# Altium PCB AX7021B.PcbDoc (part 6 of 6) (continued)
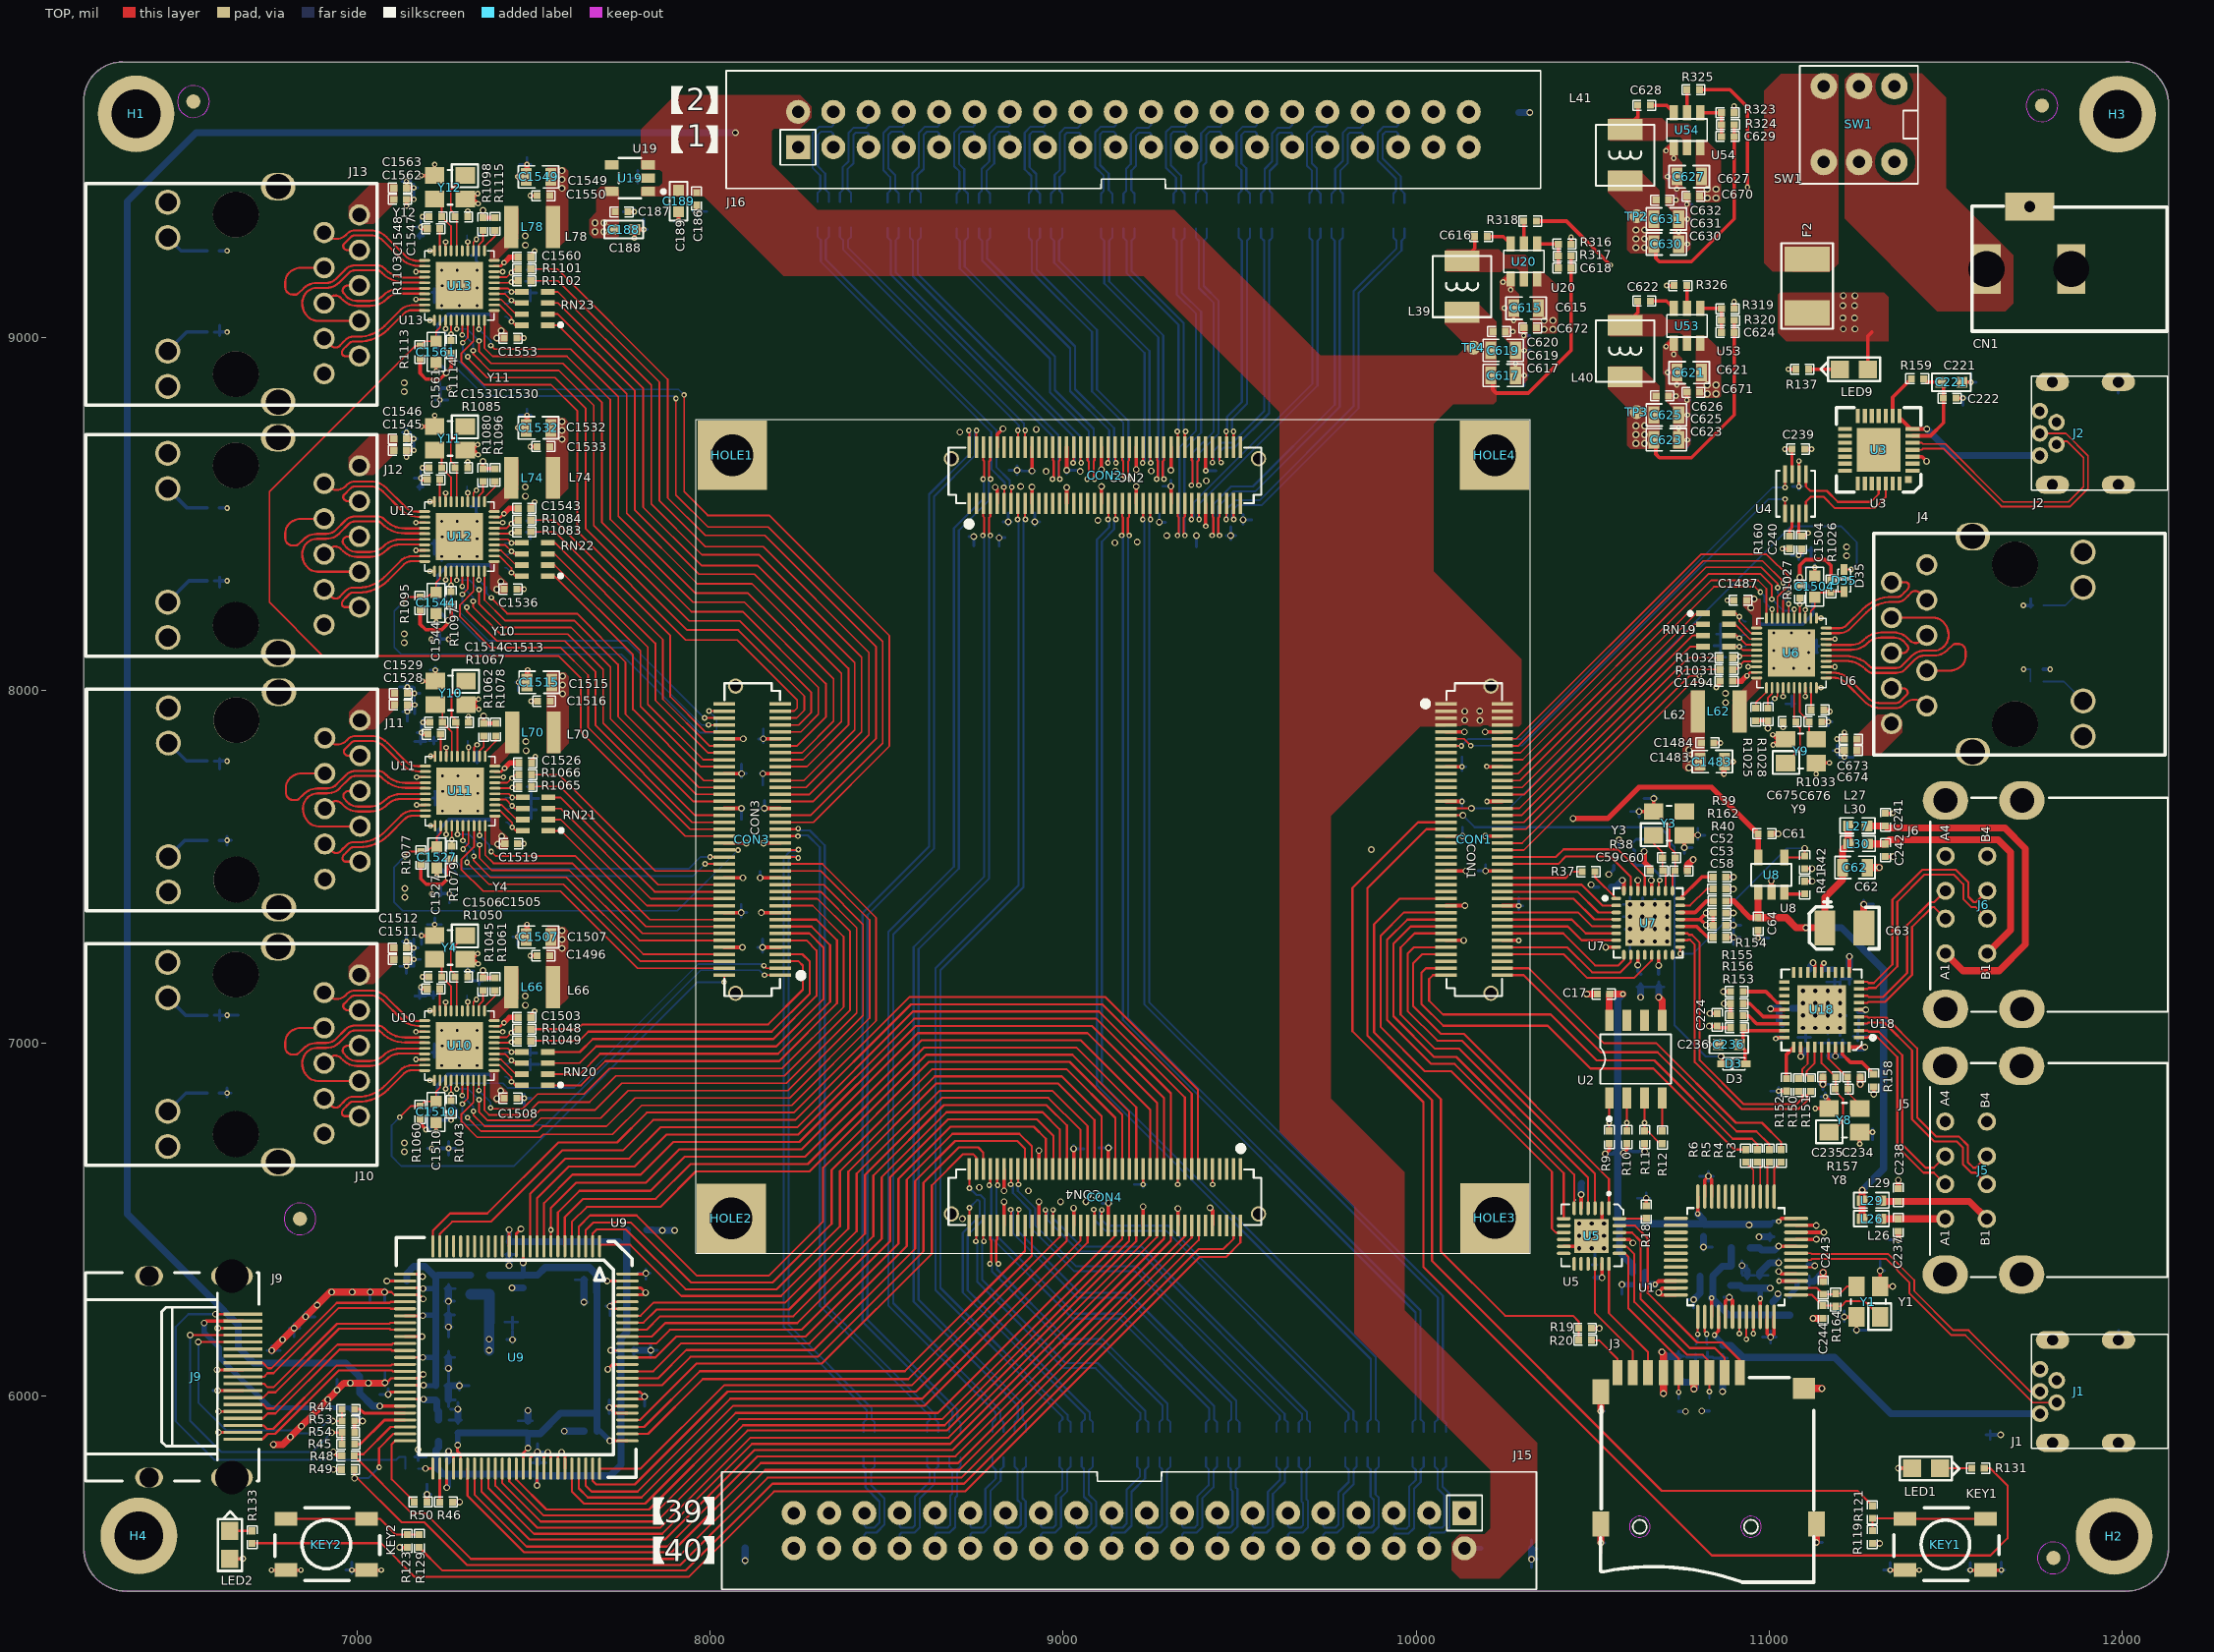
[diagram p0: TOP view]
## Polygon pours and split planes (outlines as drawn) (continued)
N20581593 on TOP (solid, pour order 34): 7113.99,8677.5 7113.99,8722.4 7110.22,8726.17 7041.35,8726.17 6975.69,8660.51 6975.69,8626.79 6991.77,8610.71 7047.2,8610.71 7113.99,8677.5
PHY3_REGOUT on TOP (solid, pour order 32): 7393.64,7781.68 7380.19,7781.68 7378.81,7783.06 7378.81,7813.6 7413.36,7848.15 7419.88,7854.67 7419.88,7936.52 7420.63,7937.27 7455.01,7937.27 7459.62,7932.66 7459.62,7847.66 7393.64,7781.68
PHY3_DVDDL on TOP (solid, pour order 26): 7537.92,7822.02 7572.48,7822.02 7600.1,7849.64 7600.1,8040.2 7590.16,8050.14 7541.36,8050.14 7537.42,8046.2 7537.42,7822.52 7537.92,7822.02
PHY3_DVDDL on TOP (solid, pour order 22): 7422.58,7550.85 7392.17,7550.85 7378.6,7564.42 7378.6,7642.55 7383.67,7647.62 7398.38,7647.62 7402.35,7643.65 7402.35,7608.67 7428.43,7582.59 7428.43,7556.7 7422.58,7550.85
PHY4_DVDDL on TOP (solid, pour order 12): 7535.92,8543.02 7570.48,8543.02 7598.1,8570.64 7598.1,8761.2 7588.16,8771.14 7539.36,8771.14 7535.42,8767.2 7535.42,8543.52 7535.92,8543.02
PHY4_DVDDL on TOP (solid, pour order 8): 7376.6,8287.53 7376.6,8363.55 7381.67,8368.62 7396.38,8368.62 7400.35,8364.65 7400.35,8329.67 7426.43,8303.59 7426.43,8277.7 7422.36,8273.63 7390.5,8273.63 7376.6,8287.53
N20563058 on TOP (solid, pour order 6): 20 vertices, not listed, extent 10081.66,9144.81 10316.89,9248.49
N20586206 on TOP (solid, pour order 2): 7113.99,9388.5 7113.99,9433.4 7110.22,9437.17 7041.35,9437.17 6975.69,9371.51 6975.69,9337.79 6991.77,9321.71 7047.2,9321.71 7113.99,9388.5
PHY4_REGOUT on TOP (solid, pour order 0): 7391.64,8502.68 7378.19,8502.68 7376.81,8504.06 7376.81,8534.6 7411.36,8569.15 7417.88,8575.67 7417.88,8657.52 7418.63,8658.27 7453.01,8658.27 7457.62,8653.66 7457.62,8568.66 7391.64,8502.68
GND on BOTTOM (solid, pour order 194): 69 vertices, not listed, extent 9476.61,8592.34 9529.94,8630.85
GND on BOTTOM (solid, pour order 190): 278 vertices, not listed, extent 6253.65,5476.85 12103.56,9751.56
GND on BOTTOM (solid, pour order 188): 66 vertices, not listed, extent 6542.06,5857.42 6884.41,5963.94
GND on BOTTOM (solid, pour order 186): 48 vertices, not listed, extent 7701.31,5897.73 7725.78,6121.81
GND on BOTTOM (solid, pour order 184): 72 vertices, not listed, extent 6565.34,5910.86 6907.19,6149.29
GND on BOTTOM (solid, pour order 182): 32 vertices, not listed, extent 6585.77,6160.87 6641.52,6222.43
GND on BOTTOM (solid, pour order 180): 121 vertices, not listed, extent 8825.72,6451.23 8867.88,6599.05
GND on BOTTOM (solid, pour order 178): 55 vertices, not listed, extent 7187,6666.74 7519.11,6775.35
GND on BOTTOM (solid, pour order 176): 91 vertices, not listed, extent 7156.8,6907.16 7348.58,7113.97
GND on BOTTOM (solid, pour order 174): 88 vertices, not listed, extent 7194.86,8117 7346.47,8221.35
GND on BOTTOM (solid, pour order 172): 88 vertices, not listed, extent 9395.72,8584.62 9444.73,8671.41
GND on BOTTOM (solid, pour order 170): 101 vertices, not listed, extent 9390.72,8585.29 9445.23,8644.32
GND on BOTTOM (solid, pour order 162): 91 vertices, not listed, extent 7156.8,9060.17 7348.56,9266.98
GND on BOTTOM (solid, pour order 160): 91 vertices, not listed, extent 7156.8,8349.17 7348.56,8555.98
GND on BOTTOM (solid, pour order 158): 91 vertices, not listed, extent 7158.8,7628.17 7350.56,7834.98
GND on BOTTOM (solid, pour order 156): 24 vertices, not listed, extent 10862.06,6252.86 10966.39,6292.34
GND on BOTTOM (solid, pour order 154): 162 vertices, not listed, extent 7327.36,6783.34 7599.14,6859.46
VCC12V on BOTTOM (solid, pour order 146): 34 vertices, not listed, extent 10341.56,8825.52 11267.58,9436.86
VCC3V3 on BOTTOM (solid, pour order 140): 10246.04,9697.85 10264.04,9679.85 10264.04,9482.85 10251.04,9469.85 10108.04,9469.85 10097.04,9480.85 10097.04,9684.85 10110.04,9697.85 10246.04,9697.85
VCC3V3 on BOTTOM (solid, pour order 138): 8286.04,5723.85 8286.04,5528.85 8271.04,5513.85 8133.04,5513.85 8125.04,5521.85 8125.04,5694.85 8126.04,5695.85 8126.04,5720.85 8149.04,5743.85 8266.04,5743.85 8286.04,5723.85
VCC3V3 on BOTTOM (solid, pour order 134): 7162.46,8835.49 7127.15,8835.49 7121.69,8840.95 7121.69,8886.71 7138.02,8903.04 7139.79,8904.81 7139.79,8946.99 7145.5,8952.7 7171.66,8952.7 7176.79,8947.57 7176.79,8904.92 7176.79,8841.85 7170.43,8835.49 7162.46,8835.49
VCC3V3 on BOTTOM (solid, pour order 132): 11190.62,8417.21 11225.93,8417.21 11231.39,8411.75 11231.39,8365.99 11215.06,8349.66 11213.29,8347.89 11213.29,8305.71 11207.58,8300 11181.42,8300 11176.29,8305.13 11176.29,8347.78 11176.29,8410.85 11182.65,8417.21 11190.62,8417.21
VCC3V3 on BOTTOM (solid, pour order 130): 18 vertices, not listed, extent 7121.69,8119.87 7189.87,8241.7
VCC3V3 on BOTTOM (solid, pour order 128): 7164.46,7403.49 7129.15,7403.49 7123.69,7408.95 7123.69,7454.71 7140.02,7471.04 7141.79,7472.81 7141.79,7514.99 7147.5,7520.7 7173.66,7520.7 7178.79,7515.57 7178.79,7472.92 7178.79,7409.85 7172.43,7403.49 7164.46,7403.49
VCC3V3 on BOTTOM (solid, pour order 126): 7162.47,6682.48 7127.16,6682.48 7121.7,6687.94 7121.7,6733.7 7138.03,6750.03 7139.8,6751.8 7139.8,6793.98 7145.51,6799.69 7171.67,6799.69 7176.8,6794.56 7176.8,6751.91 7176.8,6688.84 7170.44,6682.48 7162.47,6682.48
VCC1V8 on BOTTOM (solid, pour order 120): 7314.04,6101.85 7304.04,6111.85 7304.04,6304.85 7390.04,6304.85 7396.04,6298.85 7396.04,6109.85 7388.04,6101.85 7314.04,6101.85
VCC1V8 on BOTTOM (solid, pour order 116): 10916.33,8004.08 10869.8,8004.08 10864.75,7999.03 10864.75,7960.88 10873.13,7952.5 10915.39,7952.5 10920.52,7957.63 10920.52,7999.89 10916.33,8004.08
VCC5V on BOTTOM (solid, pour order 114): 10102.5,5596.9 10125.92,5620.32 10267.57,5620.32 10302.04,5585.85 10302.04,5519.85 10283.04,5500.85 10114.04,5500.85 10102.5,5512.39 10102.5,5596.9
VCC5V on BOTTOM (solid, pour order 112): 8119.24,9670.52 8123.59,9674.87 8271.64,9674.87 8282.75,9663.76 8282.75,9609.78 8270.43,9597.46 8132.31,9597.46 8119.24,9610.53 8119.24,9670.52
RGMII_VCC on BOTTOM (solid, pour order 104): 7436.75,9248.62 7483.28,9248.62 7488.33,9253.67 7488.33,9291.82 7479.95,9300.2 7437.69,9300.2 7432.56,9295.07 7432.56,9252.81 7436.75,9248.62
RGMII_VCC on BOTTOM (solid, pour order 102): 7436.75,8537.62 7483.28,8537.62 7488.33,8542.67 7488.33,8580.82 7479.95,8589.2 7437.69,8589.2 7432.56,8584.07 7432.56,8541.81 7436.75,8537.62
RGMII_VCC on BOTTOM (solid, pour order 100): 7438.75,7816.62 7485.28,7816.62 7490.33,7821.67 7490.33,7859.82 7481.95,7868.2 7439.69,7868.2 7434.56,7863.07 7434.56,7820.81 7438.75,7816.62
RGMII_VCC on BOTTOM (solid, pour order 98): 7436.76,7095.61 7483.29,7095.61 7488.34,7100.66 7488.34,7138.81 7479.96,7147.19 7437.7,7147.19 7432.57,7142.06 7432.57,7099.8 7436.76,7095.61
PHY5_IODVDD on BOTTOM (solid, pour order 94): 17 vertices, not listed, extent 7363.58,9049.48 7420.51,9290.39
PHY5_ADVDDL on BOTTOM (solid, pour order 92): 30 vertices, not listed, extent 7156.59,9098.7 7275.61,9352.12
PHY5_DVDDL on BOTTOM (solid, pour order 86): 24 vertices, not listed, extent 7218.43,9345.09 7609.89,9483.49
PHY5_AVDD33 on BOTTOM (solid, pour order 80): 22 vertices, not listed, extent 7120.25,8981.63 7214.76,9260.98
PHY2_AVDD33 on BOTTOM (solid, pour order 76): 22 vertices, not listed, extent 7120.26,6828.62 7214.77,7107.97
PHY2_DVDDL on BOTTOM (solid, pour order 72): 24 vertices, not listed, extent 7218.44,7192.08 7609.9,7330.48
PHY1_AVDD33 on BOTTOM (solid, pour order 62): 22 vertices, not listed, extent 11138.32,7991.72 11232.83,8271.07
PHY1_IODVDD on BOTTOM (solid, pour order 60): 17 vertices, not listed, extent 10932.57,7962.31 10989.5,8203.22
PHY2_ADVDDL on BOTTOM (solid, pour order 58): 30 vertices, not listed, extent 7156.6,6945.69 7275.62,7199.11
PHY2_IODVDD on BOTTOM (solid, pour order 56): 17 vertices, not listed, extent 7363.59,6896.47 7420.52,7137.38
PHY1_ADVDDL on BOTTOM (solid, pour order 48): 26 vertices, not listed, extent 11090.5,7900.58 11196.49,8154
PHY1_DVDDL on BOTTOM (solid, pour order 40): 24 vertices, not listed, extent 10743.19,7769.21 11134.65,7907.61
PHY3_IODVDD on BOTTOM (solid, pour order 36): 17 vertices, not listed, extent 7365.58,7617.48 7422.51,7858.39
PHY3_ADVDDL on BOTTOM (solid, pour order 30): 30 vertices, not listed, extent 7158.59,7666.7 7277.61,7920.12
PHY3_DVDDL on BOTTOM (solid, pour order 24): 24 vertices, not listed, extent 7220.43,7913.09 7611.89,8051.49
PHY3_AVDD33 on BOTTOM (solid, pour order 20): 22 vertices, not listed, extent 7122.25,7549.63 7216.76,7828.98
PHY4_IODVDD on BOTTOM (solid, pour order 18): 17 vertices, not listed, extent 7363.58,8338.48 7420.51,8579.39
PHY4_ADVDDL on BOTTOM (solid, pour order 16): 30 vertices, not listed, extent 7156.59,8387.7 7275.61,8641.12
PHY4_DVDDL on BOTTOM (solid, pour order 10): 24 vertices, not listed, extent 7218.43,8634.09 7609.89,8772.49
PHY4_AVDD33 on BOTTOM (solid, pour order 4): 22 vertices, not listed, extent 7120.25,8270.63 7214.76,8549.98
VCC3V3 on SVCC (solid, pour order 142): 538 vertices, not listed, extent 6253.65,5476.85 12103.56,9751.56
VCC1V8 on SVCC (solid, pour order 122): 159 vertices, not listed, extent 7359.31,6057.04 10967.94,8774.61
RGMII_VCC on SVCC (solid, pour order 108): 295 vertices, not listed, extent 7427.4,7094.57 7868.46,9634.13
PHY5_DVDDL on SVCC (solid, pour order 90): 36 vertices, not listed, extent 7383.28,8960.87 7621.42,9485.22
PHY2_DVDDL on SVCC (solid, pour order 74): 90 vertices, not listed, extent 7373.63,6811.17 7611.77,7335.52
PHY1_DVDDL on SVCC (solid, pour order 46): 99 vertices, not listed, extent 10699.55,7768.12 10976.43,8345.13
PHY3_DVDDL on SVCC (solid, pour order 28): 76 vertices, not listed, extent 7377.98,7531.43 7616.12,8055.78
PHY4_DVDDL on SVCC (solid, pour order 14): 99 vertices, not listed, extent 7372.67,8254.14 7610.81,8778.49
GND on SGND (solid, pour order 192): 90 vertices, not listed, extent 6245.69,5468.89 12111.52,9759.52
no net on PLACE_BOUND_TOP (solid): 11812.94,9656.31 ccw(c11772.8,9656.31) 11772.8,9696.45 ccw(c11772.8,9656.31) 11732.66,9656.31 ccw(c11772.8,9656.31) 11772.8,9616.17 ccw(c11772.8,9656.31) 11812.94,9656.31
no net on PLACE_BOUND_TOP (solid): 11845.44,5542.61 ccw(c11805.3,5542.61) 11805.3,5582.75 ccw(c11805.3,5542.61) 11765.16,5542.61 ccw(c11805.3,5542.61) 11805.3,5502.47 ccw(c11805.3,5542.61) 11845.44,5542.61
no net on PLACE_BOUND_TOP (solid): 6878.44,6502.96 ccw(c6838.3,6502.96) 6838.3,6543.1 ccw(c6838.3,6502.96) 6798.16,6502.96 ccw(c6838.3,6502.96) 6838.3,6462.82 ccw(c6838.3,6502.96) 6878.44,6502.96
no net on PLACE_BOUND_TOP (solid): 6576.44,9667.81 ccw(c6536.3,9667.81) 6536.3,9707.95 ccw(c6536.3,9667.81) 6496.16,9667.81 ccw(c6536.3,9667.81) 6536.3,9627.67 ccw(c6536.3,9667.81) 6576.44,9667.81
no net on PLACE_BOUND_BOTTOM (solid): 11812.94,9655.81 ccw(c11772.8,9655.81) 11772.8,9695.95 ccw(c11772.8,9655.81) 11732.66,9655.81 ccw(c11772.8,9655.81) 11772.8,9615.67 ccw(c11772.8,9655.81) 11812.94,9655.81
no net on PLACE_BOUND_BOTTOM (solid): 11845.94,5542.61 ccw(c11805.8,5542.61) 11805.8,5582.75 ccw(c11805.8,5542.61) 11765.66,5542.61 ccw(c11805.8,5542.61) 11805.8,5502.47 ccw(c11805.8,5542.61) 11845.94,5542.61
no net on PLACE_BOUND_BOTTOM (solid): 6568.44,5685.46 ccw(c6528.3,5685.46) 6528.3,5725.6 ccw(c6528.3,5685.46) 6488.16,5685.46 ccw(c6528.3,5685.46) 6528.3,5645.32 ccw(c6528.3,5685.46) 6568.44,5685.46
no net on PLACE_BOUND_BOTTOM (solid): 6575.94,9667.81 ccw(c6535.8,9667.81) 6535.8,9707.95 ccw(c6535.8,9667.81) 6495.66,9667.81 ccw(c6535.8,9667.81) 6535.8,9627.67 ccw(c6535.8,9667.81) 6575.94,9667.81

## Keep-outs
TOP:
  circle w1: c11772.8,9656.31 r45.14
  circle w1: c11805.3,5542.61 r45.14
  circle w1: c6838.3,6502.96 r45.14
  circle w1: c6536.3,9667.81 r45.14
SVCC:
  lines w15: 10660.04,7907.85 10789.04,7907.85 10808.04,7926.85 10808.04,8148.85 10832.04,8172.85
BOTTOM:
  circle w1: c11772.8,9655.81 r45.14
  circle w1: c11805.8,5542.61 r45.14
  circle w1: c6528.3,5685.46 r45.14
  circle w1: c6535.8,9667.81 r45.14
Keep-Out Layer:
  lines w1: 6225.65,9669.72 cw(c6335.49,9669.72) 6335.49,9779.56 12010.69,9779.56 cw(c12010.69,9658.69) 12131.56,9658.69 12131.16,5570.9 cw(c12009.51,5570.5) 12009.51,5448.85 6346.52,5448.85 cw(c6346.51,5569.32) 6226.04,5569.72 6225.65,9669.72

## Other copper
TOP:
  pour cut-out: 11413.49,9496.32 11411.55,9511.02 11405.88,9524.71 11396.85,9536.47 11385.09,9545.5 11371.4,9551.17 11356.7,9553.11 11342,9551.17 11328.31,9545.5 11316.55,9536.47 11307.52,9524.71 11301.85,9511.02 11299.91,9496.32 11301.85,9481.62 11307.52,9467.93 11316.55,9456.17 11328.31,9447.14 11342,9441.47 11356.7,9439.53 11371.4,9441.47 11385.09,9447.14 11396.85,9456.17 11405.88,9467.93 11411.55,9481.62 11413.49,9496.32
  pour cut-out: 0,0 10,0 10,10 0,10
  pour cut-out: 0,0 10,0 10,10 0,10
  pour cut-out: 0,0 10,0 10,10 0,10
  pour cut-out: 0,0 10,0 10,10 0,10
  pour cut-out: 0,0 10,0 10,10 0,10
  pour cut-out: 0,0 10,0 10,10 0,10
  pour cut-out: 0,0 10,0 10,10 0,10
  pour cut-out: 0,0 10,0 10,10 0,10
  pour cut-out: 0,0 10,0 10,10 0,10
  pour cut-out: 0,0 10,0 10,10 0,10
  pour cut-out: 0,0 10,0 10,10 0,10
  pour cut-out: 0,0 10,0 10,10 0,10
  pour cut-out: 0,0 10,0 10,10 0,10
  pour cut-out: 0,0 10,0 10,10 0,10
  pour cut-out: 0,0 10,0 10,10 0,10
  pour cut-out: 0,0 10,0 10,10 0,10
  pour cut-out: 0,0 10,0 10,10 0,10
  pour cut-out: 0,0 10,0 10,10 0,10
  pour cut-out: 0,0 10,0 10,10 0,10
  pour cut-out: 0,0 10,0 10,10 0,10
  pour cut-out: 0,0 10,0 10,10 0,10
  pour cut-out: 0,0 10,0 10,10 0,10
  pour cut-out: 0,0 10,0 10,10 0,10
  pour cut-out: 0,0 10,0 10,10 0,10
  pour cut-out: 0,0 10,0 10,10 0,10
  pour cut-out: 0,0 10,0 10,10 0,10
  pour cut-out: 0,0 10,0 10,10 0,10
  pour cut-out: 0,0 10,0 10,10 0,10
  pour cut-out: 0,0 10,0 10,10 0,10
  pour cut-out: 0,0 10,0 10,10 0,10
  pour cut-out: 0,0 10,0 10,10 0,10
  pour cut-out: 0,0 10,0 10,10 0,10
SGND:
  drawing of 983 lines, arcs and shapes, not listed
SVCC:
  drawing of 2167 lines, arcs and shapes, not listed
BOTTOM:
  drawing of 3209 lines, arcs and shapes, not listed

## Silkscreen, mask and mechanical layers (free items; w line width, h text height)
Top Overlay:
  lines w1: 10452.71,6555.53 10453.1,6557.49 ; 7960.7,6405.32 10322.9,6405.32 10322.9,8767.52 7960.7,8767.52 7960.7,6405.32
  text "2" at 7932.45,9643.42 h63
  text "1" at 7933.45,9540.42 h63
  text "39" at 7869.45,5643.42 h63
  text "40" at 7869.45,5532.42 h63
NCLEGEND-1-4:
  circle w1: c13792.39,13250.15 r5.91
  circle w1: c13792.39,12750.15 r13.78
  circle w1: c13792.39,11000.15 r50
  lines w1: 13342.89,8875.15 20069.89,8875.15 ; 13342.89,9125.15 20069.89,9125.15 ; 13342.89,9375.15 20069.89,9375.15 ; 13342.89,9625.15 20069.89,9625.15 ; 13342.89,9875.15 20069.89,9875.15 ; 13342.89,10125.15 20069.89,10125.15 ; 13342.89,10375.15 20069.89,10375.15 ; 13342.89,10625.15 20069.89,10625.15 ; 13342.89,10875.15 20069.89,10875.15 ; 13342.89,11125.15 20069.89,11125.15 ; 13342.89,11375.15 20069.89,11375.15 ; 13342.89,11625.15 20069.89,11625.15 ; 13342.89,11875.15 20069.89,11875.15 ; 13342.89,12125.15 20069.89,12125.15 ; 13342.89,12375.15 20069.89,12375.15 ; 13342.89,12625.15 20069.89,12625.15 ; 13342.89,12875.15 20069.89,12875.15 ; 13342.89,13125.15 20069.89,13125.15 ; 13342.89,13375.15 20069.89,13375.15 ; 13342.89,13625.15 20069.89,13625.15 ; 13342.89,13875.15 20069.89,13875.15 ; 13342.89,14125.15 20069.89,14125.15 ; 13742.39,10500.15 13842.39,10500.15 ; 13772.39,13000.15 13812.39,13000.15 ; 13782.39,13500.15 13802.39,13500.15 ; 13792.39,10450.15 13792.39,10550.15 ; 13792.39,12980.15 13792.39,13020.15 ; 13792.39,13490.15 13792.39,13510.15 ; 14241.89,8625.15 14241.89,13875.15 ; 16132.89,8625.15 16132.89,13875.15 ; 18023.89,8625.15 18023.89,13875.15 ; 19294.89,8625.15 19294.89,13875.15 ; 13342.89,8625.15 13342.89,14375.15 20069.89,14375.15 20069.89,8625.15 13342.89,8625.15 ; 13733.33,11250.15 13792.39,11309.2 13851.44,11250.15 13792.39,11191.09 13733.33,11250.15 ; 13756.96,8718.65 ccw(c13756.96,8750.15) 13756.96,8781.65 13827.82,8781.65 ccw(c13827.82,8750.15) 13827.82,8718.65 13756.96,8718.65 ; 13756.96,8968.65 ccw(c13756.96,9000.15) 13756.96,9031.65 13827.82,9031.65 ccw(c13827.82,9000.15) 13827.82,8968.65 13756.96,8968.65 ; 13760.9,9218.65 ccw(c13760.9,9250.15) 13760.9,9281.65 13823.89,9281.65 ccw(c13823.89,9250.15) 13823.89,9218.65 13760.9,9218.65 ; 13766.8,11500.15 13779.59,11474.56 13805.18,11474.56 13817.98,11500.15 13805.18,11525.74 13779.59,11525.74 13766.8,11500.15 ; 13770.74,9718.65 ccw(c13770.74,9750.15) 13770.74,9781.65 13814.04,9781.65 ccw(c13814.04,9750.15) 13814.04,9718.65 13770.74,9718.65 ; 13772.39,11730.15 13812.39,11730.15 13812.39,11770.15 13772.39,11770.15 13772.39,11730.15 ; 13774.89,12000.15 13792.39,12017.65 13809.89,12000.15 13792.39,11982.65 13774.89,12000.15 ; 13774.89,12232.65 13809.89,12232.65 13809.89,12267.65 13774.89,12267.65 13774.89,12232.65 ; 13776.64,12484.4 13808.14,12484.4 13808.14,12515.9 13776.64,12515.9 13776.64,12484.4 ; 13780.58,10218.65 ccw(c13780.58,10250.15) 13780.58,10281.65 13804.2,10281.65 ccw(c13804.2,10250.15) 13804.2,10218.65 13780.58,10218.65 ; 13781.56,10750.15 13786.98,10739.32 13797.81,10739.32 13803.22,10750.15 13797.81,10760.98 13786.98,10760.98 13781.56,10750.15 ; 13782.39,9431.73 ccw(c13782.39,9500.15) 13782.39,9568.57 13802.39,9568.57 ccw(c13802.39,9500.15) 13802.39,9431.73 13782.39,9431.73 ; 13782.39,9949.28 ccw(c13782.39,10000.15) 13782.39,10051.02 13802.39,10051.02 ccw(c13802.39,10000.15) 13802.39,9949.28 13782.39,9949.28
  text "DRILL CHART: TOP to BOTTOM" at 15406.39,14187.65 h125
  text "ALL UNITS ARE IN MILS" at 15656.39,13937.65 h125
  text "FIGURE" at 13492.39,13687.65 h125
  text "SIZE" at 14987.39,13687.65 h125
  text "TOLERANCE" at 16628.39,13687.65 h125
  text "PLATED" at 18359.39,13687.65 h125
  text "QTY" at 19532.39,13687.65 h125
  text "8.0" at 15037.39,13437.65 h125
  text "+3.0/-3.0" at 16628.39,13437.65 h125
  text "PLATED" at 18359.39,13437.65 h125
  text "459" at 19532.39,13437.65 h125
  text "11.81" at 14937.39,13187.65 h125
  text "+0.0/-0.0" at 16628.39,13187.65 h125
  text "PLATED" at 18359.39,13187.65 h125
  text "82" at 19582.39,13187.65 h125
  text "12.0" at 14987.39,12937.65 h125
  text "+3.0/-3.0" at 16628.39,12937.65 h125
  text "PLATED" at 18359.39,12937.65 h125
  text "320" at 19532.39,12937.65 h125
  text "27.56" at 14937.39,12687.65 h125
  text "+0.0/-0.0" at 16628.39,12687.65 h125
  text "PLATED" at 18359.39,12687.65 h125
  text "10" at 19582.39,12687.65 h125
  text "31.5" at 14987.39,12437.65 h125
  text "+3.0/-3.0" at 16628.39,12437.65 h125
  text "PLATED" at 18359.39,12437.65 h125
  text "16" at 19582.39,12437.65 h125
  text "35.0" at 14987.39,12187.65 h125
  text "+3.0/-3.0" at 16628.39,12187.65 h125
  text "PLATED" at 18359.39,12187.65 h125
  text "80" at 19582.39,12187.65 h125
  text "35.0" at 14987.39,11937.65 h125
  text "+3.0/-3.0" at 16628.39,11937.65 h125
  text "PLATED" at 18359.39,11937.65 h125
  text "6" at 19632.39,11937.65 h125
  text "40.0" at 14987.39,11687.65 h125
  text "+3.0/-3.0" at 16628.39,11687.65 h125
  text "PLATED" at 18359.39,11687.65 h125
  text "50" at 19582.39,11687.65 h125
  text "51.18" at 14937.39,11437.65 h125
  text "+3.0/-3.0" at 16628.39,11437.65 h125
  text "PLATED" at 18359.39,11437.65 h125
  text "20" at 19582.39,11437.65 h125
  text "118.11" at 14887.39,11187.65 h125
  text "+3.0/-3.0" at 16628.39,11187.65 h125
  text "PLATED" at 18359.39,11187.65 h125
  text "4" at 19632.39,11187.65 h125
  text "137.8" at 14937.39,10937.65 h125
  text "+3.0/-3.0" at 16628.39,10937.65 h125
  text "PLATED" at 18359.39,10937.65 h125
  text "4" at 19632.39,10937.65 h125
  text "21.66" at 14937.39,10687.65 h125
  text "+3.0/-3.0" at 16628.39,10687.65 h125
  text "NON-PLATED" at 18159.39,10687.65 h125
  text "8" at 19632.39,10687.65 h125
  text "129.92" at 14887.39,10437.65 h125
  text "+3.0/-3.0" at 16628.39,10437.65 h125
  text "NON-PLATED" at 18159.39,10437.65 h125
  text "10" at 19582.39,10437.65 h125
  text "55.12x31.5" at 14687.39,10187.65 h125
  text "+3.0/-3.0" at 16628.39,10187.65 h125
  text "PLATED" at 18359.39,10187.65 h125
  text "2" at 19632.39,10187.65 h125
  text "70.87x50.87" at 14637.39,9937.65 h125
  text "+3.0/-3.0" at 16628.39,9937.65 h125
  text "PLATED" at 18359.39,9937.65 h125
  text "10" at 19582.39,9937.65 h125
  text "74.8x31.5" at 14737.39,9687.65 h125
  text "+0.0/-0.0" at 16628.39,9687.65 h125
  text "PLATED" at 18359.39,9687.65 h125
  text "8" at 19632.39,9687.65 h125
  text "88.42x68.42" at 14637.39,9437.65 h125
  text "+3.0/-3.0" at 16628.39,9437.65 h125
  text "PLATED" at 18359.39,9437.65 h125
  text "8" at 19632.39,9437.65 h125
  text "94.49x31.5" at 14687.39,9187.65 h125
  text "+3.0/-3.0" at 16628.39,9187.65 h125
  text "PLATED" at 18359.39,9187.65 h125
  text "2" at 19632.39,9187.65 h125
  text "102.36x31.5" at 14637.39,8937.65 h125
  text "+3.0/-3.0" at 16628.39,8937.65 h125
  text "PLATED" at 18359.39,8937.65 h125
  text "1" at 19632.39,8937.65 h125
  text "102.36x31.5" at 14637.39,8687.65 h125
  text "+3.0/-3.0" at 16628.39,8687.65 h125
  text "PLATED" at 18359.39,8687.65 h125
  text "2" at 19632.39,8687.65 h125
DIMENSION-1:
  lines w1: 6225.3,5255.46 8917.55,5255.46 6225.3,5255.46 ; 6225.3,5255.46 6375.3,5230.46 ; 6225.3,5255.46 6375.3,5280.46 ; 6225.3,5255.46 6375.3,5230.46 ; 6225.3,5255.46 6375.3,5280.46 ; 6375.3,5230.46 6375.3,5280.46 ; 6375.3,5230.46 6375.3,5280.46 ; 11981.3,5230.46 11981.3,5280.46 ; 11981.3,5230.46 12131.3,5255.46 ; 11981.3,5230.46 11981.3,5280.46 ; 11981.3,5230.46 12131.3,5255.46 ; 11981.3,5280.46 12131.3,5255.46 ; 11981.3,5280.46 12131.3,5255.46 ; 12131.3,5255.46 9818.05,5255.46 12131.3,5255.46 ; 12615.8,5603.46 12665.8,5603.46 ; 12615.8,5603.46 12640.8,5453.46 ; 12615.8,5603.46 12665.8,5603.46 ; 12615.8,5603.46 12640.8,5453.46 ; 12615.8,9628.96 12665.8,9628.96 ; 12615.8,9628.96 12640.8,9778.96 ; 12615.8,9628.96 12665.8,9628.96 ; 12615.8,9628.96 12640.8,9778.96 ; 12640.8,5453.46 12640.8,7349.71 12640.8,5453.46 ; 12640.8,5453.46 12665.8,5603.46 ; 12640.8,5453.46 12665.8,5603.46 ; 12640.8,9778.96 12640.8,7662.21 12640.8,9778.96 ; 12640.8,9778.96 12665.8,9628.96 ; 12640.8,9778.96 12665.8,9628.96 ; 6225.3,5155.46 6225.3,5606.96 6225.3,5155.46 ; 12070.3,5453.46 12740.8,5453.46 12070.3,5453.46 ; 12112.8,9778.96 12740.8,9778.96 12112.8,9778.96 ; 12131.3,5155.46 12131.3,5629.96 12131.3,5155.46
  lines w6: 13921.09,5564.04 13929.04,5564.04 13929.04,5301.67 ; 13921.09,5964.04 13929.04,5964.04 13929.04,5701.67 ; 13921.09,6364.04 13929.04,6364.04 13929.04,6101.67 ; 14162.98,7185.34 14162.98,7191.82 15987.96,7191.82 15987.96,7192.43 ; 14162.98,7345.34 14162.98,7351.82 15987.46,7351.82 15987.46,7352.43 ; 14162.98,7505.34 14162.98,7511.82 15986.96,7511.82 15986.96,7511.93 ; 14162.98,7665.34 14162.98,7671.82 15987.96,7671.82 15987.96,7670.93 ; 14728.94,6744.44 14728.94,6744.74 ; 14777.77,7970.22 14778.09,7970.22 14778.09,7032.43 14778.46,7032.43 ; 15382.77,7970.22 15383.09,7970.22 15383.09,7032.93 15382.96,7032.93 ; 15987.77,7970.22 15988.09,7970.22 ; 16338.06,5564.05 16343.36,5564.05 16343.36,5301.68 ; 16338.06,5964.05 16343.36,5964.05 16343.36,5701.68 ; 16338.06,6364.05 16343.36,6364.05 16343.36,6101.68 ; 16728.33,5270.73 16728.32,5270.73 16690.55,5232.96 ; 16728.33,5670.73 16728.32,5670.73 16690.55,5632.96 ; 16728.33,6070.73 16728.32,6070.73 16690.55,6032.96 ; 16728.33,6470.73 16728.32,6470.73 16690.55,6432.96 ; 16729.65,5193.21 16690.55,5232.31 16690.55,5232.96 ; 16729.65,5593.21 16690.55,5632.31 16690.55,5632.96 ; 16729.65,5993.21 16690.55,6032.31 16690.55,6032.96 ; 16729.65,6393.21 16690.55,6432.31 16690.55,6432.96 ; 17168.91,5234.29 17168.91,5232.96 16690.55,5232.96 ; 17168.91,5634.29 17168.91,5632.96 16690.55,5632.96 ; 17168.91,6034.29 17168.91,6032.96 16690.55,6032.96 ; 17168.91,6434.29 17168.91,6432.96 16690.55,6432.96 ; 15988.09,7970.22 15988.09,7972.08 14821.4,7972.08 14162.97,7972.08 14162.97,7031.82 15988.09,7031.82 15988.09,7970.22 ; 13791.23,5164.04 13791.23,5301.85 16462.63,5301.85 16462.63,5164.04 13791.23,5164.04 ; 13791.23,5564.04 13791.23,5701.85 16462.63,5701.85 16462.63,5564.04 13791.23,5564.04 ; 13791.23,5964.04 13791.23,6101.85 16462.63,6101.85 16462.63,5964.04 13791.23,5964.04 ; 13791.23,6364.04 13791.23,6501.85 16462.63,6501.85 16462.63,6364.04 13791.23,6364.04
  text "LINE WITH IMPEDANCE CHART FOR REFERENCE" at 14152.22,8038.74 h50
  text "DIFF-PAIR" at 15458.31,7885.36 h50
  text "SINGLE ENDED" at 14781.81,7850.77 h50
  text "100ohm" at 15533.95,7802.78 h50
  text "50ohm" at 14923.69,7777.09 h50
  text "(WIDTH/SPACE)" at 15389.31,7703.4 h50
  text "WIDTH" at 14928.2,7692.89 h50
  text "6mil/8mil" at 15432.3,7566.57 h50
  text "6mil" at 14981.7,7562.32 h50
  text "L1" at 14269.27,7559.17 h50
  text "110MM" at 12284.3,7443.46 h125
  text "110MM" at 12284.3,7443.46 h125
  text "(GND)" at 14421.96,7398.14 h50
  text "L2" at 14272.28,7390.75 h50
  text "-" at 14959.34,7250.78 h50
  text "3.5mil/12mil" at 15435.46,7248.76 h50
  text "(POWER)" at 14422.96,7246.76 h50
  text "L3" at 14278.29,7231.35 h50
  text "6mil/8mil" at 15439.96,7092.76 h50
  text "L4" at 14269.27,7090 h50
  text "6mil" at 14981.7,7082.32 h50
  text "TOP SIDE" at 14973.45,6591.2 h50
  text "0.5oz" at 17226.56,6413.09 h50
  text "LAYER 1      L1 TOP" at 14609.1,6405.67 h50
  text "1oz" at 17226.56,6013.09 h50
  text "LAYER 2      L2 GND" at 14618.08,6008.91 h50
  text "1oz" at 17226.56,5613.09 h50
  text "LAYER 3      L3 VCC" at 14618.08,5608.91 h50
  text "0.5oz" at 17226.56,5213.09 h50
  text "LAYER 4      L4 BOTTOM" at 14618.08,5208.91 h50
  text "150MM" at 9011.3,5192.96 h125
  text "150MM" at 9011.3,5192.96 h125
PEN3:
  drawing of 9984 lines, arcs and shapes, not listed
DRAWING_ORIGIN:
  lines w1: 7935.7,6405.32 7985.7,6405.32 ; 7960.7,6380.32 7960.7,6430.32
PIN_NUMBER:
  text "1" at 6515.8,9667.81 h25
  text "1" at 6516.3,9667.81 h25
  text "1" at 11752.8,9655.81 h25
  text "1" at 11752.8,9656.31 h25
  text "1" at 6818.3,6502.96 h25
  text "1" at 6508.3,5685.46 h25
  text "1" at 11785.3,5542.61 h25
  text "1" at 11785.8,5542.61 h25
ASSEMBLY_TOP:
  text "U*" at 6519.04,9663.82 h25
  text "U*" at 11755.54,9652.32 h25
  text "U*" at 6821.04,6498.97 h25
  text "U*" at 11788.04,5538.62 h25
ASSEMBLY_BOTTOM:
  text "U*" at 6553.06,9663.82 h25
  text "U*" at 11790.06,9651.82 h25
  text "U*" at 6545.56,5681.47 h25
  text "U*" at 11823.06,5538.62 h25

## Text inside footprints (layer, text, board x,y; h text height)
C1: PIN_NUMBER "2" at 10858.04,6108.85 h25 r90; PIN_NUMBER "1" at 10858.04,6144.85 h25 r90
C2: PIN_NUMBER "2" at 11616.26,5891.32 h25 r90; PIN_NUMBER "1" at 11616.26,5951.32 h25 r90
C3: PIN_NUMBER "1" at 10815.04,6111.06 h25 r270; PIN_NUMBER "2" at 10815.04,6147.06 h25 r270
C4: PIN_NUMBER "1" at 10781.52,6111.06 h25 r270; PIN_NUMBER "2" at 10781.52,6147.06 h25 r270
C5: PIN_NUMBER "2" at 10603.04,6316.85 h25; PIN_NUMBER "1" at 10639.04,6316.85 h25
C8: PIN_NUMBER "2" at 10794.04,6340.85 h25; PIN_NUMBER "1" at 10830.04,6340.85 h25
C9: PIN_NUMBER "2" at 10804.04,6452.85 h25 r90; PIN_NUMBER "1" at 10804.04,6488.85 h25 r90
C10: PIN_NUMBER "2" at 10928.04,6342.85 h25 r270; PIN_NUMBER "1" at 10928.04,6306.85 h25 r270
C11: PIN_NUMBER "2" at 10992.04,6451.85 h25 r90; PIN_NUMBER "1" at 10992.04,6487.85 h25 r90
C12: PIN_NUMBER "2" at 10794.04,6304.85 h25; PIN_NUMBER "1" at 10830.04,6304.85 h25
C13: PIN_NUMBER "2" at 10992.04,6378.85 h25 r90; PIN_NUMBER "1" at 10992.04,6414.85 h25 r90
C14: PIN_NUMBER "2" at 11000.04,6266.85 h25 r270; PIN_NUMBER "1" at 11000.04,6230.85 h25 r270
C15: PIN_NUMBER "2" at 11104.04,6325.85 h25 r180; PIN_NUMBER "1" at 11068.04,6325.85 h25 r180
C16: PIN_NUMBER "2" at 10963.04,6342.85 h25 r270; PIN_NUMBER "1" at 10963.04,6306.85 h25 r270
C17: PIN_NUMBER "2" at 10503.04,7139.85 h25 r180; PIN_NUMBER "1" at 10539.04,7139.85 h25 r180
C22: PIN_NUMBER "2" at 10733.51,6113.51 h25 r270; PIN_NUMBER "1" at 10733.51,6053.51 h25 r270
C23: PIN_NUMBER "2" at 10496.54,6372.82 h25 r270; PIN_NUMBER "1" at 10496.54,6336.82 h25 r270
C24: PIN_NUMBER "2" at 10459.04,6639.85 h25 r270; PIN_NUMBER "1" at 10459.04,6603.85 h25 r270
C25: PIN_NUMBER "2" at 10781.04,6076.35 h25 r270; PIN_NUMBER "1" at 10781.04,6040.35 h25 r270
C52: PIN_NUMBER "2" at 10867.28,7369.29 h25; PIN_NUMBER "1" at 10831.28,7369.29 h25
C53: PIN_NUMBER "2" at 10867.28,7334.91 h25; PIN_NUMBER "1" at 10831.28,7334.91 h25
C54: PIN_NUMBER "2" at 10626.04,7159.85 h25 r90; PIN_NUMBER "1" at 10626.04,7195.85 h25 r90
C55: PIN_NUMBER "2" at 10507.04,7442.85 h25; PIN_NUMBER "1" at 10543.04,7442.85 h25
C56: PIN_NUMBER "2" at 10677.04,7159.85 h25 r90; PIN_NUMBER "1" at 10677.04,7195.85 h25 r90
C57: PIN_NUMBER "2" at 10549.76,7504.05 h25; PIN_NUMBER "1" at 10609.76,7504.05 h25
C58: PIN_NUMBER "1" at 10867.28,7300.53 h25 r180; PIN_NUMBER "2" at 10831.28,7300.53 h25 r180
C59: PIN_NUMBER "1" at 10653.04,7488.85 h25; PIN_NUMBER "2" at 10689.04,7488.85 h25
C60: PIN_NUMBER "1" at 10759.04,7488.85 h25 r180; PIN_NUMBER "2" at 10723.04,7488.85 h25 r180
C61: PIN_NUMBER "2" at 10994.79,7593.76 h25; PIN_NUMBER "1" at 10958.79,7593.76 h25
C62: PIN_NUMBER "2" at 11268.11,7498.04 h25; PIN_NUMBER "1" at 11198.11,7498.04 h25
C63: PIN_NUMBER "2" at 11258.16,7326.85 h25 r180; PIN_NUMBER "1" at 11147.92,7326.85 h25 r180
C64: PIN_NUMBER "2" at 10958.7,7320 h25 r270; PIN_NUMBER "1" at 10958.7,7356 h25 r270
C65: PIN_NUMBER "2" at 7813.69,6417.03 h25 r180; PIN_NUMBER "1" at 7753.69,6417.03 h25 r180
C66: PIN_NUMBER "2" at 7773.8,6130.46 h25 r180; PIN_NUMBER "1" at 7737.8,6130.46 h25 r180
C67: PIN_NUMBER "2" at 7248.04,5815.85 h25 r270; PIN_NUMBER "1" at 7248.04,5779.85 h25 r270
C68: PIN_NUMBER "2" at 7500.8,5812.46 h25 r270; PIN_NUMBER "1" at 7500.8,5776.46 h25 r270
C69: PIN_NUMBER "2" at 7632.8,6330.46 h25; PIN_NUMBER "1" at 7668.8,6330.46 h25
C70: PIN_NUMBER "2" at 7632.8,6295.46 h25; PIN_NUMBER "1" at 7668.8,6295.46 h25
C71: PIN_NUMBER "2" at 7473.8,5930.96 h25 r270; PIN_NUMBER "1" at 7473.8,5894.96 h25 r270
C72: PIN_NUMBER "2" at 7460.8,6307.46 h25 r90; PIN_NUMBER "1" at 7460.8,6343.46 h25 r90
C73: PIN_NUMBER "2" at 7275.3,5932.96 h25 r270; PIN_NUMBER "1" at 7275.3,5896.96 h25 r270
C74: PIN_NUMBER "2" at 7633.3,5901.96 h25; PIN_NUMBER "1" at 7669.3,5901.96 h25
C75: PIN_NUMBER "2" at 7420.8,6402.46 h25 r90; PIN_NUMBER "1" at 7420.8,6438.46 h25 r90
C76: PIN_NUMBER "1" at 7248.8,5990.46 h25; PIN_NUMBER "2" at 7212.8,5990.46 h25
C77: PIN_NUMBER "2" at 7248.8,6230.46 h25 r180; PIN_NUMBER "1" at 7212.8,6230.46 h25 r180
C78: PIN_NUMBER "2" at 7248.8,6030.46 h25 r180; PIN_NUMBER "1" at 7212.8,6030.46 h25 r180
C79: PIN_NUMBER "2" at 7248.8,6305.46 h25 r180; PIN_NUMBER "1" at 7212.8,6305.46 h25 r180
C80: PIN_NUMBER "2" at 7248.8,6110.46 h25 r180; PIN_NUMBER "1" at 7212.8,6110.46 h25 r180
C81: PIN_NUMBER "2" at 7429.7,6210.57 h25 r180; PIN_NUMBER "1" at 7369.7,6210.57 h25 r180
C186: PIN_NUMBER "2" at 7951.81,9374.22 h25 r270; PIN_NUMBER "1" at 7951.81,9410.22 h25 r270
C187: PIN_NUMBER "2" at 7757.35,9355.45 h25; PIN_NUMBER "1" at 7721.35,9355.45 h25
C188: PIN_NUMBER "2" at 7775.66,9305.45 h25; PIN_NUMBER "1" at 7715.66,9305.45 h25
C189: PIN_NUMBER "2" at 7900.72,9355.72 h25 r270; PIN_NUMBER "1" at 7900.72,9415.72 h25 r270
C190: PIN_NUMBER "2" at 10317.04,5568.85 h25 r180; PIN_NUMBER "1" at 10281.04,5568.85 h25 r180
C191: PIN_NUMBER "2" at 8089.04,5570.85 h25; PIN_NUMBER "1" at 8125.04,5570.85 h25
C192: PIN_NUMBER "2" at 8124.55,9700.45 h25 r270; PIN_NUMBER "1" at 8124.55,9664.45 h25 r270
C193: PIN_NUMBER "2" at 10281.04,9636.85 h25 r180; PIN_NUMBER "1" at 10245.04,9636.85 h25 r180
C221: PIN_NUMBER "2" at 11536.04,8872.85 h25; PIN_NUMBER "1" at 11476.04,8872.85 h25
C222: PIN_NUMBER "2" at 11519.62,8827.76 h25; PIN_NUMBER "1" at 11483.62,8827.76 h25
C223: PIN_NUMBER "2" at 11241.35,7020.31 h25 r270; PIN_NUMBER "1" at 11241.35,6984.31 h25 r270
C224: PIN_NUMBER "2" at 10843.06,7085.02 h25 r90; PIN_NUMBER "1" at 10843.06,7049.02 h25 r90
C225: PIN_NUMBER "2" at 11243.33,7054.62 h25 r90; PIN_NUMBER "1" at 11243.33,7090.62 h25 r90
C226: PIN_NUMBER "2" at 11217.33,7182.62 h25 r90; PIN_NUMBER "1" at 11217.33,7218.62 h25 r90
C227: PIN_NUMBER "2" at 11105,7172.6 h25 r90; PIN_NUMBER "1" at 11105,7208.6 h25 r90
C228: PIN_NUMBER "2" at 11054.27,7099.14 h25 r180; PIN_NUMBER "1" at 11018.27,7099.14 h25 r180
C229: PIN_NUMBER "2" at 11093.73,7017.72 h25 r270; PIN_NUMBER "1" at 11093.73,6981.72 h25 r270
C230: PIN_NUMBER "2" at 11198.04,7001.2 h25 r270; PIN_NUMBER "1" at 11198.04,6965.2 h25 r270
C231: PIN_NUMBER "2" at 11158.16,7001.2 h25 r270; PIN_NUMBER "1" at 11158.16,6965.2 h25 r270
C232: PIN_NUMBER "2" at 11142.16,7173.63 h25 r90; PIN_NUMBER "1" at 11142.16,7209.63 h25 r90
C233: PIN_NUMBER "2" at 11175.56,7173.79 h25 r90; PIN_NUMBER "1" at 11175.56,7209.79 h25 r90
C234: PIN_NUMBER "1" at 11248.04,6904.85 h25 r180; PIN_NUMBER "2" at 11212.04,6904.85 h25 r180
C235: PIN_NUMBER "1" at 11142.04,6904.85 h25; PIN_NUMBER "2" at 11178.04,6904.85 h25
C236: PIN_NUMBER "2" at 10845.56,6997.23 h25 r180; PIN_NUMBER "1" at 10905.56,6997.23 h25 r180
C237: PIN_NUMBER "2" at 11356.1,6467.2 h25 r270; PIN_NUMBER "1" at 11356.1,6503.2 h25 r270
C238: PIN_NUMBER "2" at 11356.1,6588.77 h25 r90; PIN_NUMBER "1" at 11356.1,6552.77 h25 r90
C239: PIN_NUMBER "2" at 11090.62,8683.37 h25; PIN_NUMBER "1" at 11054.62,8683.37 h25
C240: PIN_NUMBER "2" at 11081.48,8401.1 h25 r270; PIN_NUMBER "1" at 11081.48,8437.1 h25 r270
C241: PIN_NUMBER "2" at 11319.3,7651.72 h25 r90; PIN_NUMBER "1" at 11319.3,7615.72 h25 r90
C242: PIN_NUMBER "2" at 11319.3,7529.12 h25 r270; PIN_NUMBER "1" at 11319.3,7565.12 h25 r270
C243: PIN_NUMBER "1" at 11142.75,6325.62 h25 r270; PIN_NUMBER "2" at 11142.75,6289.62 h25 r270
C244: PIN_NUMBER "1" at 11142.33,6221.08 h25 r90; PIN_NUMBER "2" at 11142.33,6257.08 h25 r90
C615: PIN_NUMBER "2" at 10266.38,9082.97 h25 r180; PIN_NUMBER "1" at 10336.38,9082.97 h25 r180
C616: PIN_NUMBER "1" at 10191.71,9285.23 h25 r180; PIN_NUMBER "2" at 10155.71,9285.23 h25 r180
C617: PIN_NUMBER "2" at 10271.76,8891.92 h25; PIN_NUMBER "1" at 10201.76,8891.92 h25
C618: PIN_NUMBER "2" at 10428.75,9196.45 h25; PIN_NUMBER "1" at 10392.75,9196.45 h25
C619: PIN_NUMBER "2" at 10271.76,8962.62 h25; PIN_NUMBER "1" at 10201.76,8962.62 h25
C620: PIN_NUMBER "2" at 10243.53,9016.44 h25; PIN_NUMBER "1" at 10207.53,9016.44 h25
C621: PIN_NUMBER "2" at 10728.42,8900.43 h25 r180; PIN_NUMBER "1" at 10798.42,8900.43 h25 r180
C622: PIN_NUMBER "1" at 10653.75,9102.69 h25 r180; PIN_NUMBER "2" at 10617.75,9102.69 h25 r180
C623: PIN_NUMBER "2" at 10733.8,8709.38 h25; PIN_NUMBER "1" at 10663.8,8709.38 h25
C624: PIN_NUMBER "2" at 10890.79,9013.91 h25; PIN_NUMBER "1" at 10854.79,9013.91 h25
C625: PIN_NUMBER "2" at 10733.8,8780.08 h25; PIN_NUMBER "1" at 10663.8,8780.08 h25
C626: PIN_NUMBER "2" at 10705.57,8833.9 h25; PIN_NUMBER "1" at 10669.57,8833.9 h25
C627: PIN_NUMBER "2" at 10728.42,9455.18 h25 r180; PIN_NUMBER "1" at 10798.42,9455.18 h25 r180
C628: PIN_NUMBER "1" at 10653.75,9657.44 h25 r180; PIN_NUMBER "2" at 10617.75,9657.44 h25 r180
C629: PIN_NUMBER "2" at 10890.79,9568.66 h25; PIN_NUMBER "1" at 10854.79,9568.66 h25
C630: PIN_NUMBER "2" at 10733.8,9264.13 h25; PIN_NUMBER "1" at 10663.8,9264.13 h25
C631: PIN_NUMBER "2" at 10733.8,9334.83 h25; PIN_NUMBER "1" at 10663.8,9334.83 h25
C632: PIN_NUMBER "2" at 10705.57,9388.65 h25; PIN_NUMBER "1" at 10669.57,9388.65 h25
C670: PIN_NUMBER "2" at 10757.14,9399.24 h25 r180; PIN_NUMBER "1" at 10793.14,9399.24 h25 r180
C671: PIN_NUMBER "2" at 10757.14,8844.49 h25 r180; PIN_NUMBER "1" at 10793.14,8844.49 h25 r180
C672: PIN_NUMBER "2" at 10295.1,9027.03 h25 r180; PIN_NUMBER "1" at 10331.1,9027.03 h25 r180
C673: PIN_NUMBER "2" at 11203.02,7861.92 h25 r180; PIN_NUMBER "1" at 11239.02,7861.92 h25 r180
C674: PIN_NUMBER "2" at 11203.02,7829.41 h25 r180; PIN_NUMBER "1" at 11239.02,7829.41 h25 r180
C675: PIN_NUMBER "2" at 11029.68,7911.24 h25 r180; PIN_NUMBER "1" at 11065.68,7911.24 h25 r180
C676: PIN_NUMBER "2" at 11139.37,7911.24 h25; PIN_NUMBER "1" at 11103.37,7911.24 h25
C1483: PIN_NUMBER "2" at 10863.99,7797.89 h25; PIN_NUMBER "1" at 10793.99,7797.89 h25
C1484: PIN_NUMBER "2" at 10833.51,7851.32 h25; PIN_NUMBER "1" at 10797.51,7851.32 h25
C1485: PIN_NUMBER "2" at 11124.26,8125.49 h25; PIN_NUMBER "1" at 11160.26,8125.49 h25
C1486: PIN_NUMBER "2" at 11127.18,8078.93 h25 r270; PIN_NUMBER "1" at 11127.18,8042.93 h25 r270
C1487: PIN_NUMBER "2" at 10890.42,8254.99 h25 r180; PIN_NUMBER "1" at 10926.42,8254.99 h25 r180
C1488: PIN_NUMBER "2" at 11054.73,7961.83 h25; PIN_NUMBER "1" at 11090.73,7961.83 h25
C1489: PIN_NUMBER "2" at 11108.61,8396.84 h25; PIN_NUMBER "1" at 11178.61,8396.84 h25
C1490: PIN_NUMBER "2" at 11157.05,7965.69 h25 r90; PIN_NUMBER "1" at 11157.05,8001.69 h25 r90
C1491: PIN_NUMBER "2" at 11155.61,8170.35 h25 r90; PIN_NUMBER "1" at 11155.61,8206.35 h25 r90
C1492: PIN_NUMBER "2" at 11035.5,8074.89 h25 r180; PIN_NUMBER "1" at 10965.5,8074.89 h25 r180
C1493: PIN_NUMBER "2" at 11005.41,8021.33 h25 r180; PIN_NUMBER "1" at 10969.41,8021.33 h25 r180
C1494: PIN_NUMBER "2" at 10850.67,8025.98 h25 r180; PIN_NUMBER "1" at 10886.67,8025.98 h25 r180
C1495: PIN_NUMBER "2" at 7206.02,7136.22 h25; PIN_NUMBER "1" at 7242.02,7136.22 h25
C1496: PIN_NUMBER "2" at 7499.58,7248.37 h25 r180; PIN_NUMBER "1" at 7535.58,7248.37 h25 r180
C1497: PIN_NUMBER "2" at 7208.83,6974.2 h25 r180; PIN_NUMBER "1" at 7172.83,6974.2 h25 r180
C1498: PIN_NUMBER "2" at 7224.48,6702.85 h25 r180; PIN_NUMBER "1" at 7154.48,6702.85 h25 r180
C1499: PIN_NUMBER "2" at 7167.53,7134 h25 r270; PIN_NUMBER "1" at 7167.53,7098 h25 r270
C1500: PIN_NUMBER "2" at 7177.48,6929.34 h25 r270; PIN_NUMBER "1" at 7177.48,6893.34 h25 r270
C1501: PIN_NUMBER "2" at 7297.59,7024.8 h25; PIN_NUMBER "1" at 7367.59,7024.8 h25
C1502: PIN_NUMBER "2" at 7327.68,7078.36 h25; PIN_NUMBER "1" at 7363.68,7078.36 h25
C1503: PIN_NUMBER "2" at 7482.42,7073.71 h25; PIN_NUMBER "1" at 7446.42,7073.71 h25
C1504: PIN_NUMBER "2" at 11119.13,8323.82 h25 r90; PIN_NUMBER "1" at 11119.13,8263.82 h25 r90
C1505: PIN_NUMBER "2" at 7303.41,7188.45 h25; PIN_NUMBER "1" at 7267.41,7188.45 h25
C1506: PIN_NUMBER "2" at 7193.72,7188.45 h25 r180; PIN_NUMBER "1" at 7229.72,7188.45 h25 r180
C1507: PIN_NUMBER "2" at 7469.1,7301.8 h25 r180; PIN_NUMBER "1" at 7539.1,7301.8 h25 r180
C1508: PIN_NUMBER "2" at 7442.67,6844.7 h25; PIN_NUMBER "1" at 7406.67,6844.7 h25
C1509: PIN_NUMBER "2" at 7205.91,7020.76 h25 r90; PIN_NUMBER "1" at 7205.91,7056.76 h25 r90
C1510: PIN_NUMBER "2" at 7213.96,6775.87 h25 r270; PIN_NUMBER "1" at 7213.96,6835.87 h25 r270
C1511: PIN_NUMBER "2" at 7130.07,7237.77 h25; PIN_NUMBER "1" at 7094.07,7237.77 h25
C1512: PIN_NUMBER "2" at 7130.07,7270.28 h25; PIN_NUMBER "1" at 7094.07,7270.28 h25
C1513: PIN_NUMBER "2" at 7305.4,7909.46 h25; PIN_NUMBER "1" at 7269.4,7909.46 h25
C1514: PIN_NUMBER "2" at 7195.71,7909.46 h25 r180; PIN_NUMBER "1" at 7231.71,7909.46 h25 r180
C1515: PIN_NUMBER "2" at 7471.09,8022.81 h25 r180; PIN_NUMBER "1" at 7541.09,8022.81 h25 r180
C1516: PIN_NUMBER "2" at 7501.57,7969.38 h25 r180; PIN_NUMBER "1" at 7537.57,7969.38 h25 r180
C1517: PIN_NUMBER "2" at 7208.01,7857.23 h25; PIN_NUMBER "1" at 7244.01,7857.23 h25
C1518: PIN_NUMBER "2" at 7207.9,7741.77 h25 r90; PIN_NUMBER "1" at 7207.9,7777.77 h25 r90
C1519: PIN_NUMBER "2" at 7444.66,7565.71 h25; PIN_NUMBER "1" at 7408.66,7565.71 h25
C1520: PIN_NUMBER "2" at 7210.82,7695.21 h25 r180; PIN_NUMBER "1" at 7174.82,7695.21 h25 r180
C1521: PIN_NUMBER "2" at 7226.47,7423.86 h25 r180; PIN_NUMBER "1" at 7156.47,7423.86 h25 r180
C1522: PIN_NUMBER "2" at 7169.52,7855.01 h25 r270; PIN_NUMBER "1" at 7169.52,7819.01 h25 r270
C1523: PIN_NUMBER "2" at 7179.47,7650.35 h25 r270; PIN_NUMBER "1" at 7179.47,7614.35 h25 r270
C1524: PIN_NUMBER "2" at 7299.58,7745.81 h25; PIN_NUMBER "1" at 7369.58,7745.81 h25
C1525: PIN_NUMBER "2" at 7329.67,7799.37 h25; PIN_NUMBER "1" at 7365.67,7799.37 h25
C1526: PIN_NUMBER "2" at 7484.41,7794.72 h25; PIN_NUMBER "1" at 7448.41,7794.72 h25
C1527: PIN_NUMBER "2" at 7215.95,7496.88 h25 r270; PIN_NUMBER "1" at 7215.95,7556.88 h25 r270
C1528: PIN_NUMBER "2" at 7132.06,7958.78 h25; PIN_NUMBER "1" at 7096.06,7958.78 h25
C1529: PIN_NUMBER "2" at 7132.06,7991.29 h25; PIN_NUMBER "1" at 7096.06,7991.29 h25
C1530: PIN_NUMBER "2" at 7303.4,8630.46 h25; PIN_NUMBER "1" at 7267.4,8630.46 h25
C1531: PIN_NUMBER "2" at 7193.71,8630.46 h25 r180; PIN_NUMBER "1" at 7229.71,8630.46 h25 r180
C1532: PIN_NUMBER "2" at 7469.09,8743.81 h25 r180; PIN_NUMBER "1" at 7539.09,8743.81 h25 r180
C1533: PIN_NUMBER "2" at 7499.57,8690.38 h25 r180; PIN_NUMBER "1" at 7535.57,8690.38 h25 r180
C1534: PIN_NUMBER "2" at 7206.01,8578.23 h25; PIN_NUMBER "1" at 7242.01,8578.23 h25
C1535: PIN_NUMBER "2" at 7205.9,8462.77 h25 r90; PIN_NUMBER "1" at 7205.9,8498.77 h25 r90
C1536: PIN_NUMBER "2" at 7442.66,8286.71 h25; PIN_NUMBER "1" at 7406.66,8286.71 h25
C1537: PIN_NUMBER "2" at 7208.82,8416.21 h25 r180; PIN_NUMBER "1" at 7172.82,8416.21 h25 r180
C1538: PIN_NUMBER "2" at 7224.47,8144.86 h25 r180; PIN_NUMBER "1" at 7154.47,8144.86 h25 r180
C1539: PIN_NUMBER "2" at 7167.52,8576.01 h25 r270; PIN_NUMBER "1" at 7167.52,8540.01 h25 r270
C1540: PIN_NUMBER "2" at 7177.47,8371.35 h25 r270; PIN_NUMBER "1" at 7177.47,8335.35 h25 r270
C1541: PIN_NUMBER "2" at 7297.58,8466.81 h25; PIN_NUMBER "1" at 7367.58,8466.81 h25
C1542: PIN_NUMBER "2" at 7327.67,8520.37 h25; PIN_NUMBER "1" at 7363.67,8520.37 h25
C1543: PIN_NUMBER "2" at 7482.41,8515.72 h25; PIN_NUMBER "1" at 7446.41,8515.72 h25
C1544: PIN_NUMBER "2" at 7213.95,8217.88 h25 r270; PIN_NUMBER "1" at 7213.95,8277.88 h25 r270
C1545: PIN_NUMBER "2" at 7130.06,8679.78 h25; PIN_NUMBER "1" at 7094.06,8679.78 h25
C1546: PIN_NUMBER "2" at 7130.06,8712.29 h25; PIN_NUMBER "1" at 7094.06,8712.29 h25
C1547: PIN_NUMBER "2" at 7303.4,9341.46 h25; PIN_NUMBER "1" at 7267.4,9341.46 h25
C1548: PIN_NUMBER "2" at 7193.71,9341.46 h25 r180; PIN_NUMBER "1" at 7229.71,9341.46 h25 r180
C1549: PIN_NUMBER "2" at 7469.09,9454.81 h25 r180; PIN_NUMBER "1" at 7539.09,9454.81 h25 r180
C1550: PIN_NUMBER "2" at 7499.57,9401.38 h25 r180; PIN_NUMBER "1" at 7535.57,9401.38 h25 r180
C1551: PIN_NUMBER "2" at 7208.82,9127.21 h25 r180; PIN_NUMBER "1" at 7172.82,9127.21 h25 r180
C1552: PIN_NUMBER "2" at 7206.01,9289.23 h25; PIN_NUMBER "1" at 7242.01,9289.23 h25
C1553: PIN_NUMBER "2" at 7442.66,8997.71 h25; PIN_NUMBER "1" at 7406.66,8997.71 h25
C1554: PIN_NUMBER "2" at 7205.9,9173.77 h25 r90; PIN_NUMBER "1" at 7205.9,9209.77 h25 r90
C1555: PIN_NUMBER "2" at 7224.47,8855.86 h25 r180; PIN_NUMBER "1" at 7154.47,8855.86 h25 r180
C1556: PIN_NUMBER "2" at 7167.52,9287.01 h25 r270; PIN_NUMBER "1" at 7167.52,9251.01 h25 r270
C1557: PIN_NUMBER "2" at 7177.47,9082.35 h25 r270; PIN_NUMBER "1" at 7177.47,9046.35 h25 r270
C1558: PIN_NUMBER "2" at 7327.67,9231.37 h25; PIN_NUMBER "1" at 7363.67,9231.37 h25
C1559: PIN_NUMBER "2" at 7297.58,9177.81 h25; PIN_NUMBER "1" at 7367.58,9177.81 h25
C1560: PIN_NUMBER "2" at 7482.41,9226.72 h25; PIN_NUMBER "1" at 7446.41,9226.72 h25
C1561: PIN_NUMBER "2" at 7213.95,8928.88 h25 r270; PIN_NUMBER "1" at 7213.95,8988.88 h25 r270
C1562: PIN_NUMBER "2" at 7130.06,9390.78 h25; PIN_NUMBER "1" at 7094.06,9390.78 h25
C1563: PIN_NUMBER "2" at 7130.06,9423.29 h25; PIN_NUMBER "1" at 7094.06,9423.29 h25
CN1: PIN_NUMBER "2" at 11728.04,9370.44 h25 r90; PIN_NUMBER "1" at 11846.04,9193.27 h25 r90; PIN_NUMBER "3" at 11605.88,9193.27 h25 r90